# Altium PCB Planter.PcbDoc (continued)
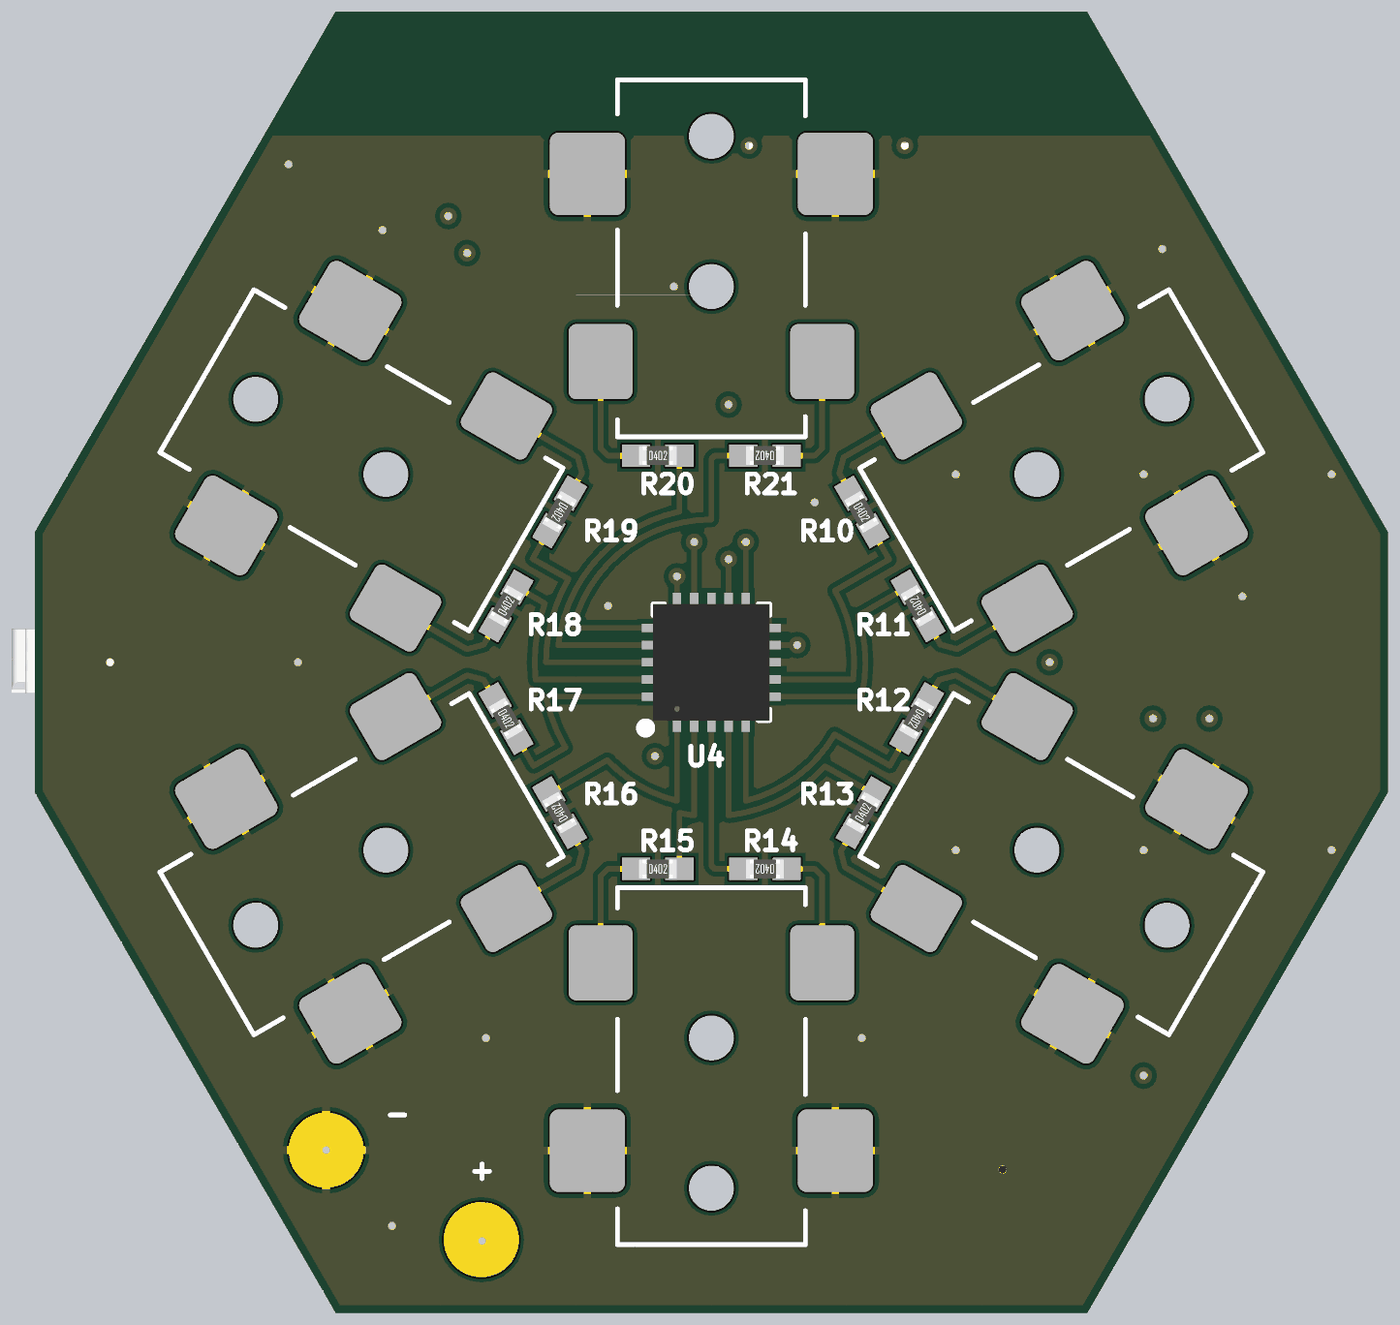
[diagram p5: 3D render of the assembled board from below, using the file's embedded part models]

## Layer stack, top to bottom
Top Solder: solder mask 0.025, SM-006, Dk 3.7
L1: signal copper 0.035
Dielectric 1: prepreg 0.1803, PP-021, Dk 4.7
L2: signal copper 0.035
Dielectric 2: core 1.08, Core-042, Dk 4.6
L3: signal copper 0.035
Dielectric 3: prepreg 0.1803, PP-021, Dk 4.7
L4: signal copper 0.035
Bottom Solder: solder mask 0.025, SM-006, Dk 3.7

## Board outline
-10,-17.321 -18,-3.464 -18,3.464 -9.994,17.317 -10,17.321 10,17.321 18,3.464 18,-3.464 9.994,-17.317 10,-17.321

## Design rules (kind name [scope] priority, off if disabled: settings)
BoardOutlineClearance [All] p1: gap=0.2 ignorepadtopadclearanceinfootprint=FALSE
Clearance [All] p1: gap=0.127 ignorepadtopadclearanceinfootprint=FALSE
ComponentClearance [All] p1: gap=0.025 collisioncheckmode=3 verticalgap=0.025 showdistances=FALSE
DiffPairsRouting [All] p1: maxlimit=10 minlimit=0.152 mostfreqgap=0.203 toplayer_minwidth=0.152 toplayer_maxwidth=0.381 toplayer_prefwidth=0.203 midlayer1_minwidth=0.152 midlayer1_maxwidth=0.381 midlayer1_prefwidth=0.203 midlayer2_minwidth=0.152 midlayer2_maxwidth=0.381 midlayer2_prefwidth=0.203 bottomlayer_minwidth=0.152 bottomlayer_maxwidth=0.381 bottomlayer_prefwidth=0.203 maxuncoupledlength=12.7
HoleSize [All] p1: absolutevalues=TRUE maxlimit=6.3 minlimit=0.2 maxpercent=80.000 minpercent=20.000
HoleToHoleClearance [All] p1: gap=0.254 allowstackedmicrovias=FALSE
MinimumAnnularRing [All] p1: minimumring=0.124
MinimumSolderMaskSliver [All] p1: minsoldermaskwidth=0.02
PlaneClearance [All] p1: clearance=0.254
PlaneConnect [All] p1: planeconnectstyle=Direct reliefexpansion=0.406 reliefentries=4 reliefconductorwidth=0.152 reliefairgap=0.152
PolygonConnect [All] p1: thpad.connectstyle=Relief thpad.reliefconductorwidth=0.203 thpad.reliefentries=4 thpad.polygonreliefangle="90 Angle" thpad.airgapwidth=0.152 smdpad.connectstyle=Relief smdpad.reliefconductorwidth=0.203 smdpad.reliefentries=4 smdpad.polygonreliefangle="90 Angle" smdpad.airgapwidth=0.152 via.connectstyle=Direct via.reliefconductorwidth=0.203 via.reliefentries=4 via.polygonreliefangle="90 Angle" via.airgapwidth=0.152
RoutingCorners [All] p1: cornerstyle=45-Degree minsetback=1.25 maxsetback=1.25
RoutingVias [All] p1: holewidth=0.2 width=0.45 viastyle="Through Hole" minholewidth=0.2 minwidth=0.45 maxholewidth=2.54 maxwidth=2.896
SilkToSilkClearance [All] p1: silktosilkclearance=0
SilkToSolderMaskClearance [IsPad] p1: minsilkscreentomaskgap=0 clearancetoexposedcopper=FALSE
SolderMaskExpansion [All] p1: expansion=0.05
Width Power [InNetClass('Power')] p1: maxlimit=0.305 minlimit=0.152 preferedwidth=0.254
Width [All] p2: maxlimit=0.254 minlimit=0.127 preferedwidth=0.152 checkconnectedcopper=TRUE
20 further rules are at their usual default settings.

## Classes and differential pairs
component class Planter: v
component class UI: D1 R6 R7 R8 S1
component class Power: + - C1 C2 J7 Q1 R1 R2 R3 R4 R5 R9 U1 U3
component class AFE: 30 C17 J1 J2 J3 J4 J5 J6 R10 R11 R12 R13 R14 R15 R16 R17 R18 R19 R20 R21 U4
net class Power: GND Vbat Vdd
component class Radio: C3 C4 C5 C6 L1 U2

## Components (designator, comment, footprint, x,y, rotation, side; value= is the part's Value field where it differs from the comment)
+ "1 Pad" "HARWIN P70 - CONTACT" 6.121,-15.368 r180 bottom value=PAD
- "1 Pad" "HARWIN P70 - CONTACT" 10.249,-12.987 r180 bottom value=PAD
C1 "0u22" "CAP 0201/0603" -9.75,0.51 r270 top
C2 "0u22" "CAP 0201/0603" -11.75,0.51 r270 top
C3 "1p" "CAP 0201/0603" -9.31,12.25 r180 top
C4 "1p" "CAP 0201/0603" -9.31,13.75 r180 top
C5 "2u2" "CAP 0402/1005" 0,7.75 r180 top
C6 "0u22" "CAP 0201/0603" 0,8.75 r180 top
D1 "RBG LED" "LED 0101/0404 RGB" 0,0 r270 top value=RGB
J1 "Jack" "CUI INC SJ2-2510XA" 0,12 r270 bottom
J2 "Jack" "CUI INC SJ2-2510XA" 10.392,6 r210 bottom
J3 "Jack" "CUI INC SJ2-2510XA" 10.392,-6 r150 bottom
J4 "Jack" "CUI INC SJ2-2510XA" 0,-12 r90 bottom
J5 "Jack" "CUI INC SJ2-2510XA" -10.392,-6 r30 bottom
J6 "Jack" "CUI INC SJ2-2510XA" -10.392,6 r330 bottom
J7 "USB Micro" "Amphenol 10118192" 0,-17.321 r0 top value=USB
L1 "1n1" "FER 0201/0603" -9,13 r270 top
Q1 "COMP MOSFET SOT-563" "ON SEMI SOT563" -15.5,0 r0 top
R1 "1M" "RES 0402/1005" -13.25,0 r270 top
R2 "18K2" "RES 0402/1005" -15.5,2.875 r180 top
R3 "1M" "RES 0402/1005" -15.5,1.75 r180 top
R4 "56K" "RES 0402/1005" -15.5,3.75 r0 top
R5 "18K2" "RES 0402/1005" -6.5,-11.25 r0 top
R6 "475R" "RES 0402/1005" -9.25,7.75 r90 top
R7 "475R" "RES 0402/1005" -8.25,7.75 r90 top
R8 "475R" "RES 0402/1005" -10.25,7.75 r90 top
R9 "56K" "RES 0402/1005" -9,-11.25 r0 top
R10 "18K2" "RES 0402/1005" -4,4 r240 bottom
R11 "18K2" "RES 0402/1005" -5.5,1.5 r60 bottom
R12 "18K2" "RES 0402/1005" -5.463,-1.498 r300 bottom
R13 "18K2" "RES 0402/1005" -4.038,-4.002 r120 bottom
R14 "18K2" "RES 0402/1005" -1.425,-5.5 r0 bottom
R15 "18K2" "RES 0402/1005" 1.425,-5.5 r180 bottom
R16 "18K2" "RES 0402/1005" 4.038,-4.002 r60 bottom
R17 "18K2" "RES 0402/1005" 5.463,-1.498 r240 bottom
R18 "18K2" "RES 0402/1005" 5.463,1.498 r120 bottom
R19 "18K2" "RES 0402/1005" 4.038,4.002 r300 bottom
R20 "18K2" "RES 0402/1005" 1.425,5.5 r180 bottom
R21 "18K2" "RES 0402/1005" -1.425,5.5 r0 bottom
S1 "SPST-NO" "Panasonic evqp7" 16.5,0 r90 top
U1 "STLQ020J33R" "ST flip-chip4" -10.75,0 r270 top
U2 "MBN52832" "Murata MBN52832" -4.5,13.125 r0 top
U3 "MICROCHIP MCP73831" "MICROCHIP SOT-23-5" -7.75,-13.5 r0 top
U4 "AT42QT2120" "MICROCHIP VQFN-20" 0,0 r90 bottom
v "Version" VERSION 7.75,-15 r0 top value=0.2

## Footprints (in the part's own frame and the unit in brackets; to place one, negate y for a bottom-side part, rotate by r counter-clockwise, add the part's x,y. Pads: shape width x height; smd on the part's side, far side on the other; paste and mask are expansions set on the pad)
"Amphenol 10118192" [mm]
  rrect25% 0.4x1.35 smd: 1(-1.3,4.125) 5(1.3,4.125)
  rrect25% 0.4x0.85 smd: 2(-0.65,4.375) 4(0.65,4.375)
  rrect25% 0.4x0.75 smd: 3(0,4.425)
  rrect25% 1.8x1.9 smd: S(-3.8,1.45) S(3.8,1.45)
  rrect25% 2.1x1.6 smd: S(-3.1,4) S(3.1,4)
  rrect25% 1.9x1.9 smd: S(-1.2,1.45) S(1.2,1.45)
  body extent -3.96,-1.31 3.96,4.35, height 2.74
"CAP 0201/0603" [mm] "Chip Capacitor, 2-Leads, Body 0.60x0.30mm, IPC Medium Density"
  rect 0.4x0.35 smd: 1(-0.31,0) 2(0.31,0)
  silkscreen extent 0,-0.23 0,0.23, body extent -0.3,-0.15 0.3,0.15, height 0.3
"CAP 0402/1005" [mm] "Chip Capacitor, 2-Leads, Body 1.02x0.51mm, IPC Medium Density"
  rect 0.6x0.64 smd: 1(-0.44,0) 2(0.44,0)
  silkscreen extent 0,-0.38 0,0.38, body extent -0.5,-0.26 0.5,0.26, height 0.52
"CUI INC SJ2-2510XA" [mm]
  rrect25% 2.2x2 smd: 1(-1,-3.3) 1(-1,3.3)
  rrect25% 2x1.7 smd: 2(4,-2.95) 3(4,2.95)
  round 1.2 hole 1.2 unplated: ""(-2,0) ""(2,0)
  silkscreen extent -3.5,-2.5 6,2.5, body extent -6,-3.69 6.55,3.71, height 4.05
"FER 0201/0603" [mm] "Chip Inductor, 2-Leads, Body 0.60x0.30mm, IPC Medium Density"
  rect 0.25x0.3 smd: 1(-0.275,0) 2(0.275,0)
  body extent -0.3,-0.15 0.3,0.15, height 0.29
"HARWIN P70 - CONTACT" [mm]
  round 2 smd paste-1: 1(0,0)
  body extent 0,0 0,0, height 0.25
"LED 0101/0404 RGB" [mm]
  rrect25% 0.45x0.45 smd: 1(0.425,0.425) 2(0.425,-0.425) 3(-0.425,-0.425) 4(-0.425,0.425)
  silkscreen extent -0.18,-0.18 0.8,0.8, body extent -0.5,-0.5 0.5,0.5, height 0.25
"MICROCHIP SOT-23-5" [mm] "SOT23, 5-Leads, Body 2.90x2.40mm, Pitch 0.95mm, IPC Medium Density"
  rrect25% 1.1x0.6 smd: 1(-1.4,0.95) 2(-1.4,0) 3(-1.4,-0.95) 4(1.4,-0.95) 5(1.4,0.95)
  silkscreen extent -1.97,-1.45 0.8,1.71, body extent -1.6,-1.55 1.6,1.55, height 1.45
"MICROCHIP VQFN-20" [mil]
  rect 28x9 smd paste+0 mask+0: 1(-59,36) 2(-59,18) 3(-59,0) 4(-59,-18) 5(-59,-36) 11(59,-36) 12(59,-18) 13(59,0) 14(59,18) 15(59,36)
  rect 9x28 smd paste+0 mask+0: 6(-36,-59) 7(-18,-59) 8(0,-59) 9(18,-59) 10(36,-59) 16(36,59) 17(18,59) 18(0,59) 19(-18,59) 20(-36,59)
  rect 67x67 smd paste+0 mask+0: 21(0,0)
  silkscreen extent -74,-61 61,74, body extent -61,-61 61,61, height 33
"Murata MBN52832" [mm]
  rect 0.3x0.6 smd: 1(-1.95,-3.125) 2(-1.3,-3.125) 3(-0.65,-3.125) 4(0,-3.125) 5(0.65,-3.125) 6(1.3,-3.125) 7(1.95,-3.125) 14(1.95,0.125) 15(1.3,0.125) 16(0.65,0.125) 17(0,0.125) 18(-0.65,0.125) 19(-1.3,0.125) 20(-1.95,0.125)
  rect 0.6x0.3 smd: 8(2.9,-3.125) 9(2.9,-2.475) 10(2.9,-1.825) 11(2.9,-1.175) 12(2.9,-0.525) 13(2.9,0.125) 21(-2.9,0.125) 22(-2.9,-0.525) 23(-2.9,-1.175) 24(-2.9,-1.825) 25(-2.9,-2.475) 26(-2.9,-3.125) 30(-1,-1.175) 31(0,-1.175) 32(1,-1.175) 33(-1,-1.825) 34(0,-1.825) 35(1,-1.825) 36(-2.9,3.125) 37(2.9,3.125)
  rect 0.3x0.3 smd: 27(-1.95,-0.9) 28(-1.95,-1.55) 29(-1.95,-2.2)
  silkscreen extent -3.7,-3.91 3.5,3.7, body extent -3.5,-3.7 3.5,3.7, height 1
"ON SEMI SOT563" [mm]
  rrect25% 0.5x0.347 smd mask+0.102: 1(-0.8,0.5) 2(-0.8,0) 3(-0.8,-0.5) 4(0.8,-0.5) 5(0.8,0) 6(0.8,0.5)
  silkscreen extent -1.33,-0.76 0.38,0.95, body extent -0.8,-0.8 0.8,0.8, height 0.6
"Panasonic evqp7" [mm]
  rect 1.4x1.05 smd: 1(-1.8,0.725) 1'(1.8,0.725) 2(-1.8,-0.725) 2'(1.8,-0.725)
  silkscreen extent -0.85,-1.12 0.85,1.38, body extent -2.32,-2.11 2.38,1.44, height 1.35
"RES 0402/1005" [mm] "Chip Resistor, 2-Leads, Body 1.0x0.5mm, IPC Medium Density"
  rect 0.75x0.6 smd: 1(-0.575,0) 2(0.575,0)
  silkscreen extent -0.02,-0.02 0.02,0.03, body extent -0.5,-0.25 0.5,0.25, height 0.35
"ST flip-chip4" [mm]
  round 0.22 smd mask+0.06: A1(-0.2,-0.2) A2(-0.2,0.2) B1(0.2,-0.2) B2(0.2,0.2)
  silkscreen extent -0.55,-0.55 -0.45,-0.45, body extent -0.39,-0.39 0.39,0.39, height 0.5
VERSION [mm]

## Part data
+ -: library part "P70 - Contact", "CONTACT PAD P70 Pogo pin series", Creation Date=06/04/2021, Part Number="P70 - Contact", Revision Date=06/04/2021
C1 C2 C6: library part GRM033R61A224KE90D, "CAP CER 0201 0.22uF 10V 10% X5R", Capacitance=220nF, Case/Package=0201, Case Code (Metric)=0603, Dielectric=X5R, Manufacturer=Murata, Max Operating Temperature=85°C, Min Operating Temperature=-55°C, Resistor Type=Ceramic, Supplier Part Number 1=490-10411-1-ND, Tolerance=10%, Voltage Rating=10V, Case Code (Imperial)=0201, ComponentLink1Description=http://www.farnell.com/datasheets/2867835.pdf?src-supplier=Farnell, ComponentLink1URL=http://www.farnell.com/datasheets/2867835.pdf?src-supplier=Farnell, ComponentLink2Description=http://www.mouser.com/ds/2/281/c02e-2905.pdf?src-s, ComponentLink2URL=http://www.mouser.com/ds/2/281/c02e-2905.pdf?src-s, ComponentLink3Description=http://search.murata.co.jp/Ceramy/image/img/A01X/G, ComponentLink3URL=http://search.murata.co.jp/Ceramy/image/img/A01X/G, ComponentLink4Description=http://www.farnell.com/datasheets/2867835.pdf?src-, ComponentLink4URL=http://www.farnell.com/datasheets/2867835.pdf?src-, ComponentLink5Description=http://www.mouser.com/ds/2/281/c02e-2905.pdf?src-s, ComponentLink5URL=http://www.mouser.com/ds/2/281/c02e-2905.pdf?src-s, ComponentLink6Description=http://search.murata.co.jp/Ceramy/image/img/A01X/G, ComponentLink6URL=http://search.murata.co.jp/Ceramy/image/img/A01X/G, ComponentLink7Description=http://search.murata.co.jp/Ceramy/image/img/A01X/p, ComponentLink7URL=http://search.murata.co.jp/Ceramy/image/img/A01X/p, Creation Date=19/01/2021, Height=0.5mm, Lead Free="Lead Free", Length=0.024inch, Manufacturer 1=Murata, Manufacturer Part Number=GRM033R61A224KE90D, Manufacturer Part Number 1=GRM033R61A224KE90D, Mount="Surface Mount", Note=recommended, Packaging="Tape and Reel", Part Number=GRM033R61A224KE90D, Pricing 1="1=0,10000, 10=0,03600, 50=0,01980, 100=0,01620, 500=0,01156, 1000=0,00908, 2500=0,00825, 5000=0,00759 (USD)", Revision Date=19/01/2021, RoHS=Yes, RoHS Compliant=Yes, Stock 1=951885, Supplier 1=Digi-Key, Thickness=0.013inch, Voltage Rating (DC)=10V, Width=0.012inch
C3 C4: library part GRM0335C1H1R0BA01D, "CAP CER 0201 1pF 50V ±0.1pF C0G", Capacitance=1pF, Case/Package=0201, Case Code (Metric)=0603, Dielectric=C0G, Manufacturer=Murata, Max Operating Temperature=125°C, Min Operating Temperature=-55°C, Package Quantity=15000, Supplier Part Number 1=490-9660-1-ND, Voltage Rating=50V, Case Code (Imperial)=0201, ComponentLink1Description=https://datasheet.ciiva.com/29538/partnumbering-e-01-29538566.pdf?src-supplier=Digi-Key, ComponentLink1URL=https://datasheet.ciiva.com/29538/partnumbering-e-01-29538566.pdf?src-supplier=Digi-Key, Creation Date=02/07/2019, Depth=0.3mm, Length=0.024inch, Manufacturer Part Number=GRM0335C1H1R0BA01D, Mount="Surface Mount", Packaging="Tape and Reel", Part Number=GRM0335C1H1R0BA01D, Pricing 1="1=0,10000, 10=0,02000, 100=0,00900, 500=0,00644, 1000=0,00506, 2500=0,00460, 5000=0,00423 (USD)", Revision Date=02/07/2019, RoHS=Yes, Stock 1=521200, Supplier 1=Digi-Key, Termination=SMD/SMT, Thickness=0.013inch, Voltage Rating (DC)=50V, Width=0.012inch
C5: library part GRM155R61C225KE11D, "CAP CER 0402 2.2uF 16V 10% X5R", Capacitance=2.2uF, Case/Package=0402, Case Code (Metric)=1005, Manufacturer=Murata, Max Operating Temperature=85°C, Min Operating Temperature=-55°C, Supplier Part Number 1=490-10695-1-ND, Tolerance=10%, Voltage Rating=16V, Case Code (Imperial)=0402, ComponentLink1Description=http://components.arrow.com/part/dataview/0323_07281440?src-supplier=Arrow+Europe, ComponentLink1URL=http://components.arrow.com/part/dataview/0323_07281440?src-supplier=Arrow+Europe, ComponentLink2Description=http://www.mouser.com/ds/2/281/c02e-2905.pdf?src-s, ComponentLink2URL=http://www.mouser.com/ds/2/281/c02e-2905.pdf?src-s, ComponentLink3Description=https://search.murata.co.jp/Ceramy/image/img/A01X/, ComponentLink3URL=https://search.murata.co.jp/Ceramy/image/img/A01X/, Creation Date=10/10/2019, Height=0.3mm, Length=0.039inch, Manufacturer Part Number=GRM155R61C225KE11D, Material=Ceramic, Mount="Surface Mount", Note=recommended, Packaging="Tape and Reel", Part Number=GRM155R61C225KE11D, Pricing 1="1=0,23000, 10=0,15900, 100=0,08990, 500=0,06348, 1000=0,05555, 2500=0,05290, 5000=0,04893 (USD)", Revision Date=10/10/2019, RoHS=Yes, Stock 1=2251620, Supplier 1=Digi-Key, Thickness=0.022inch, Voltage Rating (DC)=16V, Width=0.02inch
D1: library part SML-LX0404SIUPGUSB, "LED 0404 RBG", Case/Package=0404, Case Code (Metric)=1010, Color=Blue, Forward Current=2mA, Forward Voltage=2.73V, Lens Color=Colorless, Manufacturer=Lumex, Max Operating Temperature=85°C, Min Operating Temperature=-40°C, Package Quantity=2000, Power Rating=30mW, Supplier Part Number 1=67-2125-1-ND, Case Code (Imperial)=0404, ComponentLink1Description=https://datasheet.ciiva.com/1333/lumex-quasarbrite, ComponentLink1URL=https://datasheet.ciiva.com/1333/lumex-quasarbrite, ComponentLink2Description=https://datasheet.ciiva.com/4689/sml-lx0404siupgus, ComponentLink2URL=https://datasheet.ciiva.com/4689/sml-lx0404siupgus, ComponentLink3Description=https://datasheet.ciiva.com/1246/1423960-1246392.p, ComponentLink3URL=https://datasheet.ciiva.com/1246/1423960-1246392.p, ComponentLink4Description=https://datasheet.ciiva.com/2118/sml-lx0404siupgus, ComponentLink4URL=https://datasheet.ciiva.com/2118/sml-lx0404siupgus, ComponentLink5Description=https://datasheet.ciiva.com/16199/sml-lx0404siupgu, ComponentLink5URL=https://datasheet.ciiva.com/16199/sml-lx0404siupgu, ComponentLink6Description=https://datasheet.ciiva.com/14604/70127422-1460494, ComponentLink6URL=https://datasheet.ciiva.com/14604/70127422-1460494, ComponentLink7Description=https://datasheet.ciiva.com/1246/1484526-1246779.p, ComponentLink7URL=https://datasheet.ciiva.com/1246/1484526-1246779.p, ComponentLink8Description=https://datasheet.ciiva.com/2118/sml-lx0404siupgus, ComponentLink8URL=https://datasheet.ciiva.com/2118/sml-lx0404siupgus, ComponentLink9Description=https://datasheet.ciiva.com/2118/sml-lx0404siupgus, ComponentLink9URL=https://datasheet.ciiva.com/2118/sml-lx0404siupgus, Creation Date=06/05/2019, Height=0.3mm, Lead Free="Lead Free", Length=1mm, Lens Style=Square, Lens Transparency=Clear, Luminous Intensity=20mcd, Manufacturer Part Number=SML-LX0404SIUPGUSB, Mount="Surface Mount", Number of LEDs=3, Packaging="Tape and Reel", Part Number=SML-LX0404SIUPGUSB, Pricing 1="1 = 1,29000, 10 = 1,04700, 25 = 0,80560, 100 = 0,7", REACH SVHC="No SVHC", Revision Date=08/05/2019, RoHS=Yes, Stock 1=106243, Supplier 1=Digi-Key, Test Current=2mA, Viewing Angle=120°, Wavelength=465nm, Width=1mm
J1 J2 J3 J4 J5 J6: library part SJ2-25103A-SMT-TR, "CONN JACK STEREO 2.5MM SMD R/A", Color=Black, Current Rating=1A, Manufacturer=CUI, Max Operating Temperature=85°C, Min Operating Temperature=-25°C, Supplier Part Number 1=CP-SJ2-25103A-SMT-CT-ND, ComponentLink1Description=https://www.cui.com/product/resource/digikeypdf/sj2-2510x-smt.pdf?src-supplier=Digi-Key, ComponentLink1URL=https://www.cui.com/product/resource/digikeypdf/sj2-2510x-smt.pdf?src-supplier=Digi-Key, Connector Type=Jack, Contact Material="Copper Alloy", Contact Plating=Silver, Creation Date=14/07/2021, Gender=Female, Housing Material=Nylon, Manufacturer 1=CUI, Manufacturer Part Number 1=SJ2-25103A-SMT-TR, Mount="Surface Mount", Number of Conductors=3, Number of Ports=1, Orientation=Horizontal, Packaging="Tape and Reel", Part Number=SJ2-25103A-SMT-TR, Revision Date=14/07/2021, RoHS=Yes, Shielding=Unshielded, Stock 1=972, Supplier 1=Digi-Key, Termination=Solder
J7: library part 10118192-0001LF, "CONN RCP USB2.0 MICRO B SMD R/A", Color=Black, Current Rating=1.8A, Flammability Rating="UL94 V-0", Manufacturer="Amphenol FCI", Max Operating Temperature=85°C, Min Operating Temperature=-55°C, Package Quantity=1400, Supplier Part Number 1=609-4613-1-ND, ComponentLink1Description=https://datasheet.ciiva.com/26853/getdatasheetpartid-418041-26853891.pdf?src-supplier=Verical, ComponentLink1URL=https://datasheet.ciiva.com/26853/getdatasheetpartid-418041-26853891.pdf?src-supplier=Verical, ComponentLink2Description=https://datasheet.ciiva.com/851/10118192-851112.pdf?src-supplier=Digi-Key, ComponentLink2URL=https://datasheet.ciiva.com/851/10118192-851112.pdf?src-supplier=Digi-Key, Connector Type=USB,Receptacle, Contact Material="Copper Alloy", Contact Plating=Gold, Creation Date=25/02/2020, Depth=5.57mm, Gender=Receptacle, Housing Material=Polymer, Length=7.86mm, Manufacturer Part Number=10118192-0001LF, Mount="Surface Mount,Horizontal", Number of Contacts=5, Orientation="Right Angle", Packaging="Tape and Reel", Part Number=10118192-0001LF, Pitch=0.65mm, Pricing 1="1=0,43000, 10=0,40500, 25=0,36480, 50=0,32420, 100=0,31070, 250=0,28368, 500=0,27016 (USD)", REACH SVHC="No SVHC", Revision Date=27/02/2020, RoHS=Yes, Stock 1=20765, Supplier 1=Digi-Key, System=Connector, Termination=Solder
L1: library part LQP03TN1N1B02D, "IND 0201 1.1nH +-0.1nH 0.75A 0.1R", Case/Package=0201, Case Code (Metric)=0603, Current Rating=750mA, DC Resistance (DCR)=100mR, Inductance=1.1nH, Manufacturer=Murata, Max Operating Temperature=125°C, Min Operating Temperature=-55°C, Package Quantity=15000, Self Resonant Frequency=17GHz, Supplier Part Number 1=490-6715-1-ND, Test Frequency=500MHz, Case Code (Imperial)=0201, Composition="Thin Film", Core Material=Non-Magnetic, Creation Date=10/10/2019, Manufacturer Part Number=LQP03TN1N1B02D, Max DC Current=750mA, Mount="Surface Mount", Packaging="Tape and Reel", Part Number=LQP03TN1N1B02D, Pricing 1="1=0,10000, 10=0,04700, 100=0,03110, 500=0,02588, 1000=0,02174, 2500=0,01863 (USD)", Q Factor=14, Revision Date=10/10/2019, RoHS=Yes, Shielding=Unshielded, Stock 1=87622, Supplier 1=Digi-Key, Termination=SMD/SMT
Q1: library part NTZD3155CT1G, "MOSFET N/P-CH 20V 0.54A/-0.43A SOT563", Case/Package=SOT-563, Manufacturer="ON Semiconductor", Max Operating Temperature=150°C, Max Power Dissipation=250mW, Min Operating Temperature=-55°C, Package Quantity=1, Supplier Part Number 1=NTZD3155CT1GOSCT-ND, Contact Plating=Tin,Matte, Creation Date=27/01/2021, Manufacturer Part Number=NTZD3155CT1G, Number of Elements=2, Number of Pins=6, Packaging="Tape and Reel", Part Number=NTZD3155CT1G, Pricing 1="1=0,49000, 10=0,34400, 25=0,32960, 100=0,17370, 50", Revision Date=27/01/2021, RoHS=Yes, Stock 1=48898, Supplier 1=Digi-Key
R1 R3: library part RC0402FR-071ML, "RES 0402 1M 1%  63mW", Case/Package=0402, Manufacturer=Yageo, Max Operating Temperature=155°C, Min Operating Temperature=-55°C, Power Rating=63mW, Resistance=1MR, Supplier Part Number 1=311-1.00MLRCT-ND, Temperature Coefficient=100ppm/°C, Tolerance=1%, ComponentLink1Description=https://datasheet.ciiva.com/11808/0900766b80c66297-11808125.pdf?src-supplier=RSComponents, ComponentLink1URL=https://datasheet.ciiva.com/11808/0900766b80c66297-11808125.pdf?src-supplier=RSComponents, Creation Date=07/05/2019, Depth=0.5mm, Height=0.32mm, Lead Free="Lead Free", Length=1mm, Manufacturer Part Number=RC0402FR-071ML, Note=recommended, Packaging="Tape and Reel", Part Number=RC0402FR-071ML, Pricing 1="1 = 0,10000, 10 = 0,01600, 100 = 0,00670, 1000 = 0,00301, 2500 = 0,00261, 5000 = 0,00215 (USD)", REACH SVHC=Unknown, Revision Date=08/05/2019, RoHS=Yes, Stock 1=14535916, Supplier 1=Digi-Key
R2 R5 R10 R11 R12 R13 R14 R15 R16 R17 R18 R19 R20 R21: library part RC0402FR-0718K2L, "RES 0402 18K2 1%  63mW", Case/Package=0402, Case Code (Metric)=1005, Manufacturer=Yageo, Max Operating Temperature=155°C, Max Power Dissipation=63mW, Min Operating Temperature=-55°C, Package Quantity=10000, Power Rating=62.5mW, Resistance=18.2kR, Supplier Part Number 1=YAG2371CT-ND, Temperature Coefficient=100ppm/°C, Tolerance=1%, Voltage Rating=50V, Case Code (Imperial)=0402, ComponentLink1Description=https://datasheet.ciiva.com/16741/pyu-rc0402-51-rohs-l-6-r-16741879.pdf?src-supplier=Future+Electronics, ComponentLink1URL=https://datasheet.ciiva.com/16741/pyu-rc0402-51-rohs-l-6-r-16741879.pdf?src-supplier=Future+Electronics, ComponentLink2Description=https://datasheet.ciiva.com/2552/pyu-r-int-thick-7, ComponentLink2URL=https://datasheet.ciiva.com/2552/pyu-r-int-thick-7, ComponentLink3Description=https://datasheet.ciiva.com/5596/pyu-rc0402-51-roh, ComponentLink3URL=https://datasheet.ciiva.com/5596/pyu-rc0402-51-roh, ComponentLink4Description=https://datasheet.ciiva.com/16869/pyu-rc0402-51-ro, ComponentLink4URL=https://datasheet.ciiva.com/16869/pyu-rc0402-51-ro, ComponentLink5Description=https://datasheet.ciiva.com/28403/pyu-rc0402-51-ro, ComponentLink5URL=https://datasheet.ciiva.com/28403/pyu-rc0402-51-ro, Composition="Thick Film", Contact Plating=Tin, Creation Date=02/07/2019, Depth=0.5mm, Features="Moisture Resistant", Height=0.016inch, Length=1mm, Manufacturer Part Number=RC0402FR-0718K2L, Military Standard=Not, Note=recommended, Number of Terminations=2, Packaging="Tape and Reel", Part Number=RC0402FR-0718K2L, Pricing 1="1=0,10000, 10=0,01600, 100=0,00670, 1000=0,00301, 2500=0,00261, 5000=0,00215 (USD)", Radiation Hardening=No, Revision Date=02/07/2019, RoHS=Yes, Stock 1=493024, Supplier 1=Digi-Key, Termination=SMD/SMT, Voltage Rating (DC)=50V, Width=0.02inch, Working Voltage=50V
R4 R9: library part RC0402FR-0756KL, "RES 0402 56K 1%  63mW", Case/Package=0402, Case Code (Metric)=1005, Manufacturer=Yageo, Max Operating Temperature=155°C, Max Power Dissipation=63mW, Min Operating Temperature=-55°C, Package Quantity=1, Power Rating=62.5mW, Resistance=56kR, Supplier Part Number 1=311-56.0KLRDKR-ND, Temperature Coefficient=100ppm/°C, Tolerance=1%, Voltage Rating=50V, Case Code (Imperial)=0402, ComponentLink1Description=https://datasheet.ciiva.com/2453/pyu-r-int-thick-7-2453478.pdf?src-supplier=Digi-Key, ComponentLink1URL=https://datasheet.ciiva.com/2453/pyu-r-int-thick-7-2453478.pdf?src-supplier=Digi-Key, ComponentLink2Description=https://datasheet.ciiva.com/2453/pyu-r-int-thick-7, ComponentLink2URL=https://datasheet.ciiva.com/2453/pyu-r-int-thick-7, ComponentLink3Description=https://datasheet.ciiva.com/5558/pyu-rc0402-51-roh, ComponentLink3URL=https://datasheet.ciiva.com/5558/pyu-rc0402-51-roh, ComponentLink4Description=https://datasheet.ciiva.com/2453/pyu-r-int-thick-7, ComponentLink4URL=https://datasheet.ciiva.com/2453/pyu-r-int-thick-7, ComponentLink5Description=https://datasheet.ciiva.com/46412/1018594-46412840, ComponentLink5URL=https://datasheet.ciiva.com/46412/1018594-46412840, ComponentLink6Description=https://datasheet.ciiva.com/7850/1018594-7850044.p, ComponentLink6URL=https://datasheet.ciiva.com/7850/1018594-7850044.p, ComponentLink7Description=https://datasheet.ciiva.com/7850/1018594-7850045.p, ComponentLink7URL=https://datasheet.ciiva.com/7850/1018594-7850045.p, Composition="Thick Film", Creation Date=16/12/2020, Depth=0.5mm, Features="Moisture Resistant", Height=0.016inch, Length=1mm, Manufacturer Part Number=RC0402FR-0756KL, Military Standard=Not, Note=recommended, Number of Terminations=2, Packaging="Tape and Reel", Part Number=RC0402FR-0756KL, Pricing 1="1=0,10000, 10=0,01600, 100=0,00640, 1000=0,00289, 2500=0,00251, 5000=0,00207 (USD)", REACH SVHC="No SVHC", Revision Date=16/12/2020, RoHS=Yes, Stock 1=25395, Supplier 1=Digi-Key, Termination=SMD/SMT, Width=0.02inch, Working Voltage=50V
R6 R7 R8: library part RC0402FR-07475RL, "RES 0402 475R 1%  63mW", Case/Package=0402, Manufacturer=Yageo, Power Rating=62.5mW, Supplier Part Number 1=311-475LRCT-ND, Tolerance=1%, Voltage Rating (DC)=50V, ComponentLink1Description=http://www.yageo.com/documents/recent/PYu-RC_Group_51_RoHS_L_10.pdf?src-supplier=Digi-Key, ComponentLink1URL=http://www.yageo.com/documents/recent/PYu-RC_Group_51_RoHS_L_10.pdf?src-supplier=Digi-Key, Creation Date=06/05/2019, Lead Free="Lead Free", Length=1mm, Manufacturer Part Number=RC0402FR-07475RL, Note=recommended, Packaging="Cut Tape", Part Number=RC0402FR-07475RL, Pricing 1="1 = 0,10000, 10 = 0,01600, 100 = 0,00670, 1000 = 0,00301, 2500 = 0,00261, 5000 = 0,00215 (USD)", Resistance=475R, Revision Date=08/05/2019, RoHS=No, Stock 1=2078167, Supplier 1=Digi-Key
S1: library part EVQ-P7A01P, "Switch Tactile N.O. SPST Right Angle 0.05A 12V", Case/Package=SMD/SMT, Contact Current Rating=50mA, Contact Resistance=500mR, Manufacturer=Panasonic, Max Operating Temperature=70°C, Max Voltage Rating (DC)=12V, Min Operating Temperature=-20°C, Operating Force=2.2N, Package Quantity=1, Supplier Part Number 1=P16763CT-ND, Actuator Length=0.65mm, ComponentLink1Description=https://datasheet.ciiva.com/30108/atk0000ce20-3010, ComponentLink1URL=https://datasheet.ciiva.com/30108/atk0000ce20-3010, Creation Date=08/05/2019, Electrical Life=100000Cycles, Illumination Type=Non-Illuminated, Manufacturer Part Number=EVQ-P7A01P, Mechanical Life=100000Cycles, Mount="Surface Mount", Orientation="Right Angle", Packaging="Tape and Reel", Part Number=EVQ-P7A01P, Pricing 1="1=0,30000, 10=0,28800, 25=0,27840, 50=0,26860, 100", Radiation Hardening=No, REACH SVHC=Unknown, Revision Date=08/05/2019, RoHS=Yes, Stock 1=641, Supplier 1=Digi-Key, Switch Function=Off-Mom, Switch Travel=0.2mm, Termination="Gull Wing", Throw Configuration=SPST
U1: "IC REG LIN 3.3V 200MA 4FLIPCHIP", Manufacturer=STMicroelectronics, Supplier Part Number 1=497-18117-1-ND, ComponentLink1Description=https://www.st.com/resource/en/datasheet/stlq020.p, ComponentLink1URL=https://www.st.com/resource/en/datasheet/stlq020.p, Creation Date=28/10/2019, Manufacturer Part Number=STLQ020J33R, Part Number=STLQ020J33R, Pricing 1="1=0,57000, 10=0,49100, 100=0,36680, 500=0,28820, 1", Revision Date=28/10/2019, RoHS=No, Stock 1=2546, Supplier 1=Digi-Key
U2: library part WSM-BL241-ADA-008, "Bluetooth v5.0 (BLE) SMART SOC IoT/NFC 1Mbps 3.3V", Case/Package=Module, Current - Receiving=6mA, Current - Transmitting=7mA, Frequency=2.4GHz, Manufacturer=Murata, Max Operating Temperature=85°C, Min Operating Temperature=-40°C, Supplier Part Number 1=81-WSM-BL241-ADA-008, ComponentLink1Description=http://www.farnell.com/datasheets/2575837.pdf?src-, ComponentLink1URL=http://www.farnell.com/datasheets/2575837.pdf?src-, ComponentLink2Description=https://wireless.murata.com/RFM/data/mbn52832_prod, ComponentLink2URL=https://wireless.murata.com/RFM/data/mbn52832_prod, ComponentLink3Description=http://www.farnell.com/datasheets/2575837.pdf?src-, ComponentLink3URL=http://www.farnell.com/datasheets/2575837.pdf?src-, Creation Date=10/10/2019, Data Rate=1Mbps, Interface=I2C,SPI,UART, Manufacturer Part Number=WSM-BL241-ADA-008, Memory Size=64KB, Mount="Surface Mount", Packaging="Cut Tape", Part Number=WSM-BL241-ADA-008, Pricing 1="1=10,84000, 10=9,78000, 25=8,93000, 50=8,93000, 10", Revision Date=10/10/2019, RoHS=No, Sensitivity=-93dBm, Stock 1=4518, Supplier 1=Mouser
U3: library part MCP73831T-2ACI/OT, "MICROCHIP - MCP73831T-2ACI/OT - LI-ION/LI-POLY CHA", Case/Package=SOT-23, Drain to Source Resistance=350mR, Manufacturer=Microchip, Max Charge Current=500mA, Max Input Voltage=6V, Max Operating Temperature=85°C, Max Output Voltage=4.5V, Max Power Dissipation=1.54W, Min Operating Temperature=-40°C, Min Output Voltage=4.168V, Min Supply Voltage=3.75V, Output Voltage=4.2V, Supplier Part Number 1=MCP73831T-2ACI/OTDKR-ND, Voltage Rating=4.534V, ComponentLink1Description=https://datasheet.ciiva.com/22828/0900766b80d2b53a, ComponentLink1URL=https://datasheet.ciiva.com/22828/0900766b80d2b53a, Contact Plating=Tin, Creation Date=08/05/2019, Height=0.051inch, Lead Free="Lead Free", Length=0.122inch, Manufacturer Part Number=MCP73831T-2ACI/OT, Max Supply Voltage=6V, Mount="Surface Mount", Number of Cells=1, Number of Channels=1, Number of Outputs=1, Number of Pins=5, Output Current=500mA, Packaging="Tape and Reel", Part Number=MCP73831T-2ACI/OT, Pricing 1="1 = 0,58000, 25 = 0,48400, 100 = 0,43260 (USD)", Radiation Hardening=No, REACH SVHC="No SVHC", Revision Date=08/05/2019, RoHS=Yes, Stock 1=40920, Supplier 1=Digi-Key, Termination=SMD/SMT, Weight=0.00709oz, Width=0.071inch
U4: library part AT42QT2120-MMHR, "IC TOUCH SENSOR 12CH 20VQFN", Case/Package=VQFN, Manufacturer=Microchip, Manufacturer 1="Microchip / Atmel", Max Operating Temperature=85°C, Min Operating Temperature=-40°C, Package Quantity=1, Supplier Part Number 1=AT42QT2120-MMHRCT-ND, ComponentLink1Description=https://datasheet.ciiva.com/6483/doc9634-6483533.pdf?src-supplier=Digi-Key, ComponentLink1URL=https://datasheet.ciiva.com/6483/doc9634-6483533.pdf?src-supplier=Digi-Key, ComponentLink2Description=https://datasheet.ciiva.com/6483/doc9634-6483527.p, ComponentLink2URL=https://datasheet.ciiva.com/6483/doc9634-6483527.p, ComponentLink3Description=https://datasheet.ciiva.com/6483/doc9634-6483530.p, ComponentLink3URL=https://datasheet.ciiva.com/6483/doc9634-6483530.p, Creation Date=21/07/2021, Interface=I2C, Manufacturer Part Number=AT42QT2120-MMHR, Manufacturer Part Number 1=AT42QT2120-MMHR, Number of Channels=12, Packaging="Tape and Reel", Part Number=AT42QT2120-MMHR, Revision Date=21/07/2021, RoHS=Yes, RoHS Compliant=Yes, Series=QTouch™, Stock 1=1727, Supplier 1=Digi-Key
v: "Silkscreen version", Creation Date=15/04/2019, Part Number=Version, Revision Date=15/04/2019

## Via types
v1: diameter 0.45, hole 0.2, L1 to L4, tented both sides, 36 vias

## Nets (pads, with @x,y where several pads share a name; then routed paths per layer and width w, separated by ;. In a path a pad name is that pad's centre, name@x,y a point inside that pad or via, vN(x,y) a via of type N, cw(c..) or ccw(c..) an arc to the next point about the centre after c; other vN are vias at no path point)
BAT_MON: R2.1 R4.2 U2.9 | length 47.1
  L1 w0.127: R4.2 -14,3.75 -13.875,3.625 -13.875,2.875
  L1 w0.152: R2.1 -13.875,2.875 -5.25,2.875 -5,2.625 -5,0 ccw(c0,0) 5,0 5,9.75 3.947,10.803 -0.333,10.803 -0.486,10.65 U2.9
BLUE: R6.2 U2.24 | length 4.2
  L1 w0.152: R6.2 -9.25,10.25 -8.2,11.3 U2.24
CHG: R9.2 U2.11 | length 41.2
  L1 w0.152: R9.2 -7.875,-11.25 -7.75,-11.125 -7.75,-6.5 -7.25,-6 0,-6 ccw(c0,0) 6,0 6,10.145 4.195,11.95 U2.11
GND: -.1 C1.1 C2.1 C3.2 C4.2 C5.1 C6.1 J1.1 J2.1 J3.1 J4.1 J5.1 J6.1 J7.5 J7.S Q1.1 R3.1 R4.1 R5.1 S1.2 S1.2' U1.B2 U2.5 U2.19 U2.30 U2.31 U2.32 U2.33 U2.34 U2.35 U3.2 U4.8 U4.10 U4.21 | length 2.3
  L1 w0.152: R3.1 v1(-14.125,1.75)
  L4 w0.152: U4.8 U4.21
  other v1: 8.5,-15 -7.75,-13.5 10.249,-12.987 -4,-10 6,-10 -16.5,-5 -11.5,-5 -6.5,-5 11,0 16,0 2.75,1.5 -2.75,4.25 -16.5,5 -11.5,5 -6.5,5 1,10 -12,11 8.75,11.5 11.25,13.25
GREEN: R7.2 U2.25 | length 3.1
  L1 w0.152: R7.2 -8.25,10.5 -8.1,10.65 U2.25
INT: U2.2 U4.15 | length 12.7
  L1 w0.152: U2.2 -5.8,6.59 -1.496,2.286 v1(0.914,2.286)
  L4 w0.152: U4.15 v1(0.914,2.286)
NetC3_1: C3.1 L1.2 U2.21 | length 2.8
  L1 w0.254: L1.2 C3.1 -8.5,12.25 -8.25,12.5 -8.25,13 -8,13.25 U2.21
NetC4_1: C4.1 L1.1 U2.20 | length 3.4
  L1 w0.254: L1.1 C4.1 -6.622,13.75 -6.473,13.601 -6.473,13.273 U2.20
NetC6_2: C6.2 U2.8 | length 2.4
  L1 w0.152: U2.8 -1.089,10 -1,9.911 -1,8.839 -0.911,8.75 C6.2
NetD1_2: D1.2 R8.1 | length 13.8
  L1 w0.152: R8.1 -10.25,6.25 -9.957,5.957 -6.352,5.957 -1.75,1.355 -1.75,0.9 D1.2
NetD1_3: D1.3 R6.1 | length 12
  L1 w0.152: R6.1 -9.25,6.5 -8.987,6.237 -6.237,6.237 D1.3
NetD1_4: D1.4 R7.1 | length 11.7
  L1 w0.152: R7.1 -8.25,6.75 -8.016,6.516 -6.121,6.516 -1.405,1.8 -0.95,1.8 D1.4
NetJ1_2: J1.2 R20.1 | length 3.3
  L4 w0.152: R20.1 2.75,5.5 2.95,5.7 J1.2
NetJ1_3: J1.3 R21.1 | length 3.3
  L4 w0.152: J1.3 -2.95,5.7 -2.75,5.5 R21.1
NetJ2_2: J2.2 R18.1 | length 3.3
  L4 w0.152: R18.1 6.058,0.468 6.505,0.347 J2.2
NetJ2_3: J2.3 R19.1 | length 3.2
  L4 w0.152: R19.1 3.442,5.032 3.555,5.456 J2.3
NetJ3_2: J3.2 R16.1 | length 3.2
  L4 w0.152: R16.1 3.442,-5.032 3.555,-5.456 J3.2
NetJ3_3: J3.3 R17.1 | length 3.3
  L4 w0.152: R17.1 6.058,-0.468 6.505,-0.347 J3.3
NetJ4_2: J4.2 R14.1 | length 3.3
  L4 w0.152: J4.2 -2.95,-5.7 -2.75,-5.5 R14.1
NetJ4_3: J4.3 R15.1 | length 3.3
  L4 w0.152: R15.1 2.75,-5.5 2.95,-5.7 J4.3
NetJ5_2: J5.2 R12.1 | length 3.3
  L4 w0.152: J5.2 -6.505,-0.347 -6.058,-0.468 R12.1
NetJ5_3: J5.3 R13.1 | length 3.2
  L4 w0.152: J5.3 -3.555,-5.456 -3.442,-5.032 R13.1
NetJ6_2: J6.2 R10.1 | length 3.2
  L4 w0.152: J6.2@-5.416,6.553 -3.518,5.454 -3.404,5.03 R10.1
NetJ6_3: J6.3 R11.1 | length 3.3
  L4 w0.152: J6.3@-8.441,1.447 -6.543,0.349 -6.096,0.47 R11.1
NetQ1_3: Q1.3 R2.2 | length 5.4
  L1 w0.152: Q1.3 -17.1,-0.5 -17.3,-0.3 -17.3,2.7 -17.125,2.875 R2.2
NetQ1_5: Q1.5 Q1.6 R1.1 | length 3.9
  L1 w0.152: Q1.5 -14.089,0 -14,0.089 -14,0.5 ; Q1.6 -14,0.5 ; R1.1 -13.25,1.179 -13.321,1.25 -13.911,1.25 -14,1.161 -14,0.5
NetR5_2: R5.2 U3.5 | length 3
  L1 w0.152: U3.5 -5.339,-12.55 -5.25,-12.461 -5.25,-11.322 -5.322,-11.25 R5.2
NetR9_1: R9.1 U3.1 | length 3
  L1 w0.152: R9.1 -10.178,-11.25 -10.25,-11.322 -10.25,-12.461 -10.161,-12.55 U3.1
NetR10_2: R10.2 U4.7 | length 7.3
  L4 w0.152: R10.2 -4.729,2.738 -3.288,1.906 ccw(c0,0) -3.772,-0.457 U4.7
NetR11_2: R11.2 U4.6 | length 6.2
  L4 w0.152: R11.2 -3.907,1.244 ccw(c0,0) -3.997,-0.914 U4.6
NetR12_2: R12.2 U4.5 | length 7.8
  L4 w0.152: R12.2 -4.75,-2.75 -3.279,-1.921 ; -3.28,-1.918 ccw(c0,0) -3.279,-1.921 ; U4.5 -0.914,-3.688 cw(c0,0) -3.279,-1.921
NetR13_2: R13.2 U4.4 | length 7
  L4 w0.152: R13.2 -3.023,-2.77 ccw(c0,0) -0.457,-4.074 U4.4
NetR14_2: R14.2 U4.3 | length 4.8
  L4 w0.152: R14.2 -0.089,-5.5 0,-5.411 U4.3
NetR15_2: R15.2 U4.2 | length 4.5
  L4 w0.152: U4.2 0.457,-4.074 ccw(c0,0) 0.85,-4.011 R15.2
NetR16_2: R16.2 U4.1 | length 6.2
  L4 w0.152: U4.1 0.914,-3.688 ccw(c0,0) 2.767,-2.605 R16.2
NetR17_2: R17.2 U4.20 | length 6.2
  L4 w0.152: U4.20 4.406,-0.914 cw(c0,0) 3.885,-2.27 4.734,-2.76 R17.2
NetR18_2: R18.2 U4.19 | length 6.1
  L4 w0.152: U4.19 4.678,-0.457 ccw(c0,0) 4.432,1.566 R18.2
NetR19_2: R19.2 U4.18 | length 7.2
  L4 w0.152: U4.18 4.4,0 ccw(c0,0) 3.801,2.216 4.759,2.755 R19.2
NetR20_2: R20.2 U4.17 | length 9.2
  L4 w0.152: 0.85,4.009 R20.2 ; 0.859,4.009 cw(c0,0) 4.074,0.457 U4.17
NetR21_2: R21.2 U4.16 | length 9.7
  L4 w0.152: R21.2 -0.089,5.5 0,5.411 0,3.8 cw(c0,0) 3.688,0.914 U4.16
ONOFF: S1.1' U2.12 | length 24.2
  L1 w0.152: U2.12 9.861,12.6 cw(c0,0) 15.775,2.674 S1.1'
POW_EN: Q1.2 R3.2 U2.10 | length 52.3
  L1 w0.152: Q1.2 -16.9,0 -17,0.1 -17,1.75 ; R3.2 -17,1.75 ; U2.10 4.2,11.3 5.5,10 5.5,0 cw(c0,0) -5.5,0 -5.5,2.125 -5.625,2.25 -11.375,2.25 -11.378,2.253 -16.847,2.253 -17,2.1 -17,1.75
RED: R8.2 U2.23 | length 5.2
  L1 w0.152: R8.2@-10.25,8.5 -10.25,10 -8.3,11.95 U2.23
SWD_CLK: J7.2 U2.18 | length 41.1
  L1 w0.152: J7.2 -0.65,-10.981 ccw(c0,0) 1.119,-10.943 1.119,-6.403 ccw(c0,0) 6.5,0 v1(6.5,10.891)
  L3 w0.152: v1(-5.147,13.75) -2.288,10.891 v1(6.5,10.891)
SWD_DIO: J7.3 U2.16 | length 41.3
  L1 w0.152: U2.16 -3.85,13.65 -3.747,13.753 -1.003,13.753 v1(-1,13.75) ; J7.3 0,-11.5 ccw(c0,0) 1.626,-11.384 1.626,-6.808 ccw(c-0.011,0.009) 7,0.009 v1(7,11.875)
  L3 w0.152: v1(-1,13.75) -1,13.125 0.25,11.875 v1(7,11.875)
TWI_SCL: U2.4 U4.14 | length 10.6
  L1 w0.152: U2.4 -4.5,8.158 v1(0.457,3.2)
  L4 w0.152: U4.14 v1(0.457,3.2)
TWI_SDA: U2.3 U4.11 | length 10.3
  L1 w0.152: U2.3 -5.15,7.436 v1(-0.914,3.2)
  L4 w0.152: U4.11 v1(-0.914,3.2)
Vbat: +.1 C2.2 Q1.4 R1.2 U1.A1 U1.B1 U3.3 | length 11.5
  L1 w0.152: Q1.4 -14.089,-0.5 -14,-0.589 -14,-1.411 -13.911,-1.5 v1(-13.25,-1.5) R1.2 ; v1(-11.75,-1.5) C2.2 -11.35,0.2 ; v1(-11.5,-11) -11.5,-13 -10.05,-14.45 U3.3 ; U1.B1 -10.963,-0.213 -11.213,-0.213 -11.35,-0.076 -11.35,0.2 ; U1.A1 -11.35,0.2
  L4 w0.152: v1(6.1,-15.4) 6.121,-15.379 +.1
Vbus: J7.1 U3.4 | length 6.2
  L1 w0.152: U3.4 -1.45,-14.45 -1.3,-14.3 J7.1
Vdd: C1.2 C5.2 D1.1 U1.A2 U2.6 U4.9 U4.12 | length 11.8
  L1 w0.152: U1.A2 C1.2 -9.2,0.2 v1(-9,0) ; U2.6 -3.2,8.2 -2.75,7.75 C5.2 -0.457,7.733 v1(-0.457,6.858) ; D1.1 1.5,-1.5 v1(1.5,-2.5)
  L4 w0.152: v1(-2.286,0.457) U4.9 ; U4.12 v1(-0.457,2.743)
pads on no net: J1. J2. J3. J4. J5. J6. J7.4 S1.1 U2.1 U2.7 U2.13 U2.14 U2.15 U2.17 U2.22 U2.26 U2.27 U2.28 U2.29 U2.36 U2.37 U4.13

## Polygon pours and split planes (outlines as drawn)
no net on Mechanical 15 (solid): -6.5,15
GND on L3 "GND" (solid, remove dead copper, pour order 10): 10,17.321 -10,17.321 -18,3.464 -18,-3.464 -10,-17.321 10,-17.321 18,-3.464 18,3.464
Vbat on L3 "L3-Vbat" (solid, pour order 6): 6.5,-15 6.5,-15.75 6.25,-16 -9.325,-16 -13.75,-8.335 -13.75,-1.25 -13.5,-1 -11.5,-1 -11.25,-1.25 -11.25,-1.75 -11.5,-2 -12.5,-2 -12.75,-2.25 -12.75,-7.835 -8.758,-14.75 6.25,-14.75
Vdd on L3 "L3-Vdd" (solid, remove dead copper, pour order 2): 0,7.5 0.5,7 0.5,4 1,3.5 2,3.5 2.5,3 2.5,-2.5 2,-3 1,-3 0.5,-2.5 0.5,-1.5 0,-1 -9.5,-1 -10,-0.5 -10,0.5 -9.5,1 -2.5,1 -2,1.5 -2,3.5 -1.5,4 -1.5,7 -1,7.5
GND on L4 "GND" (solid, remove dead copper, pour order 8): 10,17.321 -10,17.321 -18,3.464 -18,-3.464 -10,-17.321 10,-17.321 18,-3.464 18,3.464
GND on L2 "GND" (solid, remove dead copper, pour order 12): 10,17.321 -10,17.321 -18,3.464 -18,-3.464 -10,-17.321 10,-17.321 18,-3.464 18,3.464
GND on L1 "GND" (solid, remove dead copper, pour order 14): 10,17.321 -10,17.321 -18,3.464 -18,-3.464 -10,-17.321 10,-17.321 18,-3.464 18,3.464

## Keep-outs
Keep-Out Layer:
  lines w0.025: -10,17.321 10,17.321 18,3.464 18,-3.464 9.994,-17.317 ; -9.994,17.317 -18,3.464 -18,-3.464 -10,-17.321 10,-17.321

## Other copper
L1:
  pour cut-out: 10,17.321 -10,17.321 -11.905,14.021 11.905,14.021
L2:
  pour cut-out: 10,17.321 -10,17.321 -11.905,14.021 11.905,14.021
L3:
  pour cut-out: 10,17.321 -10,17.321 -11.905,14.021 11.905,14.021
L4:
  pour cut-out: 10,17.321 -10,17.321 -11.905,14.021 11.905,14.021

## Silkscreen, mask and mechanical layers (free items; w line width, h text height)
Top Overlay:
  drawing of 30 lines, arcs and shapes, not listed
Mechanical 7:
  circle w0.254: c0,0 r20
  lines w0.127: 9.994,-17.317 20,-0.004 20,0 10,17.321 -10,17.321 -20,0 -10,-17.321 10,-17.321
  lines w0.254: -10.392,-6 ccw(c0,0) 0,-12 ccw(c0,0) 10.392,-6 ccw(c0,0) 10.392,6 ccw(c0,0) 0,12 ccw(c0,0) -10.392,6 ccw(c0,0) -10.392,-6 ; -7.794,-4.5 cw(c0,0) -7.794,4.5 cw(c0,0) 0,9 cw(c0,0) 7.794,4.5 cw(c0,0) 7.794,-4.5 cw(c0,0) 0,-9 cw(c0,0) -7.794,-4.5